# Allegro board TubiiPCB_V6.brd (continued)
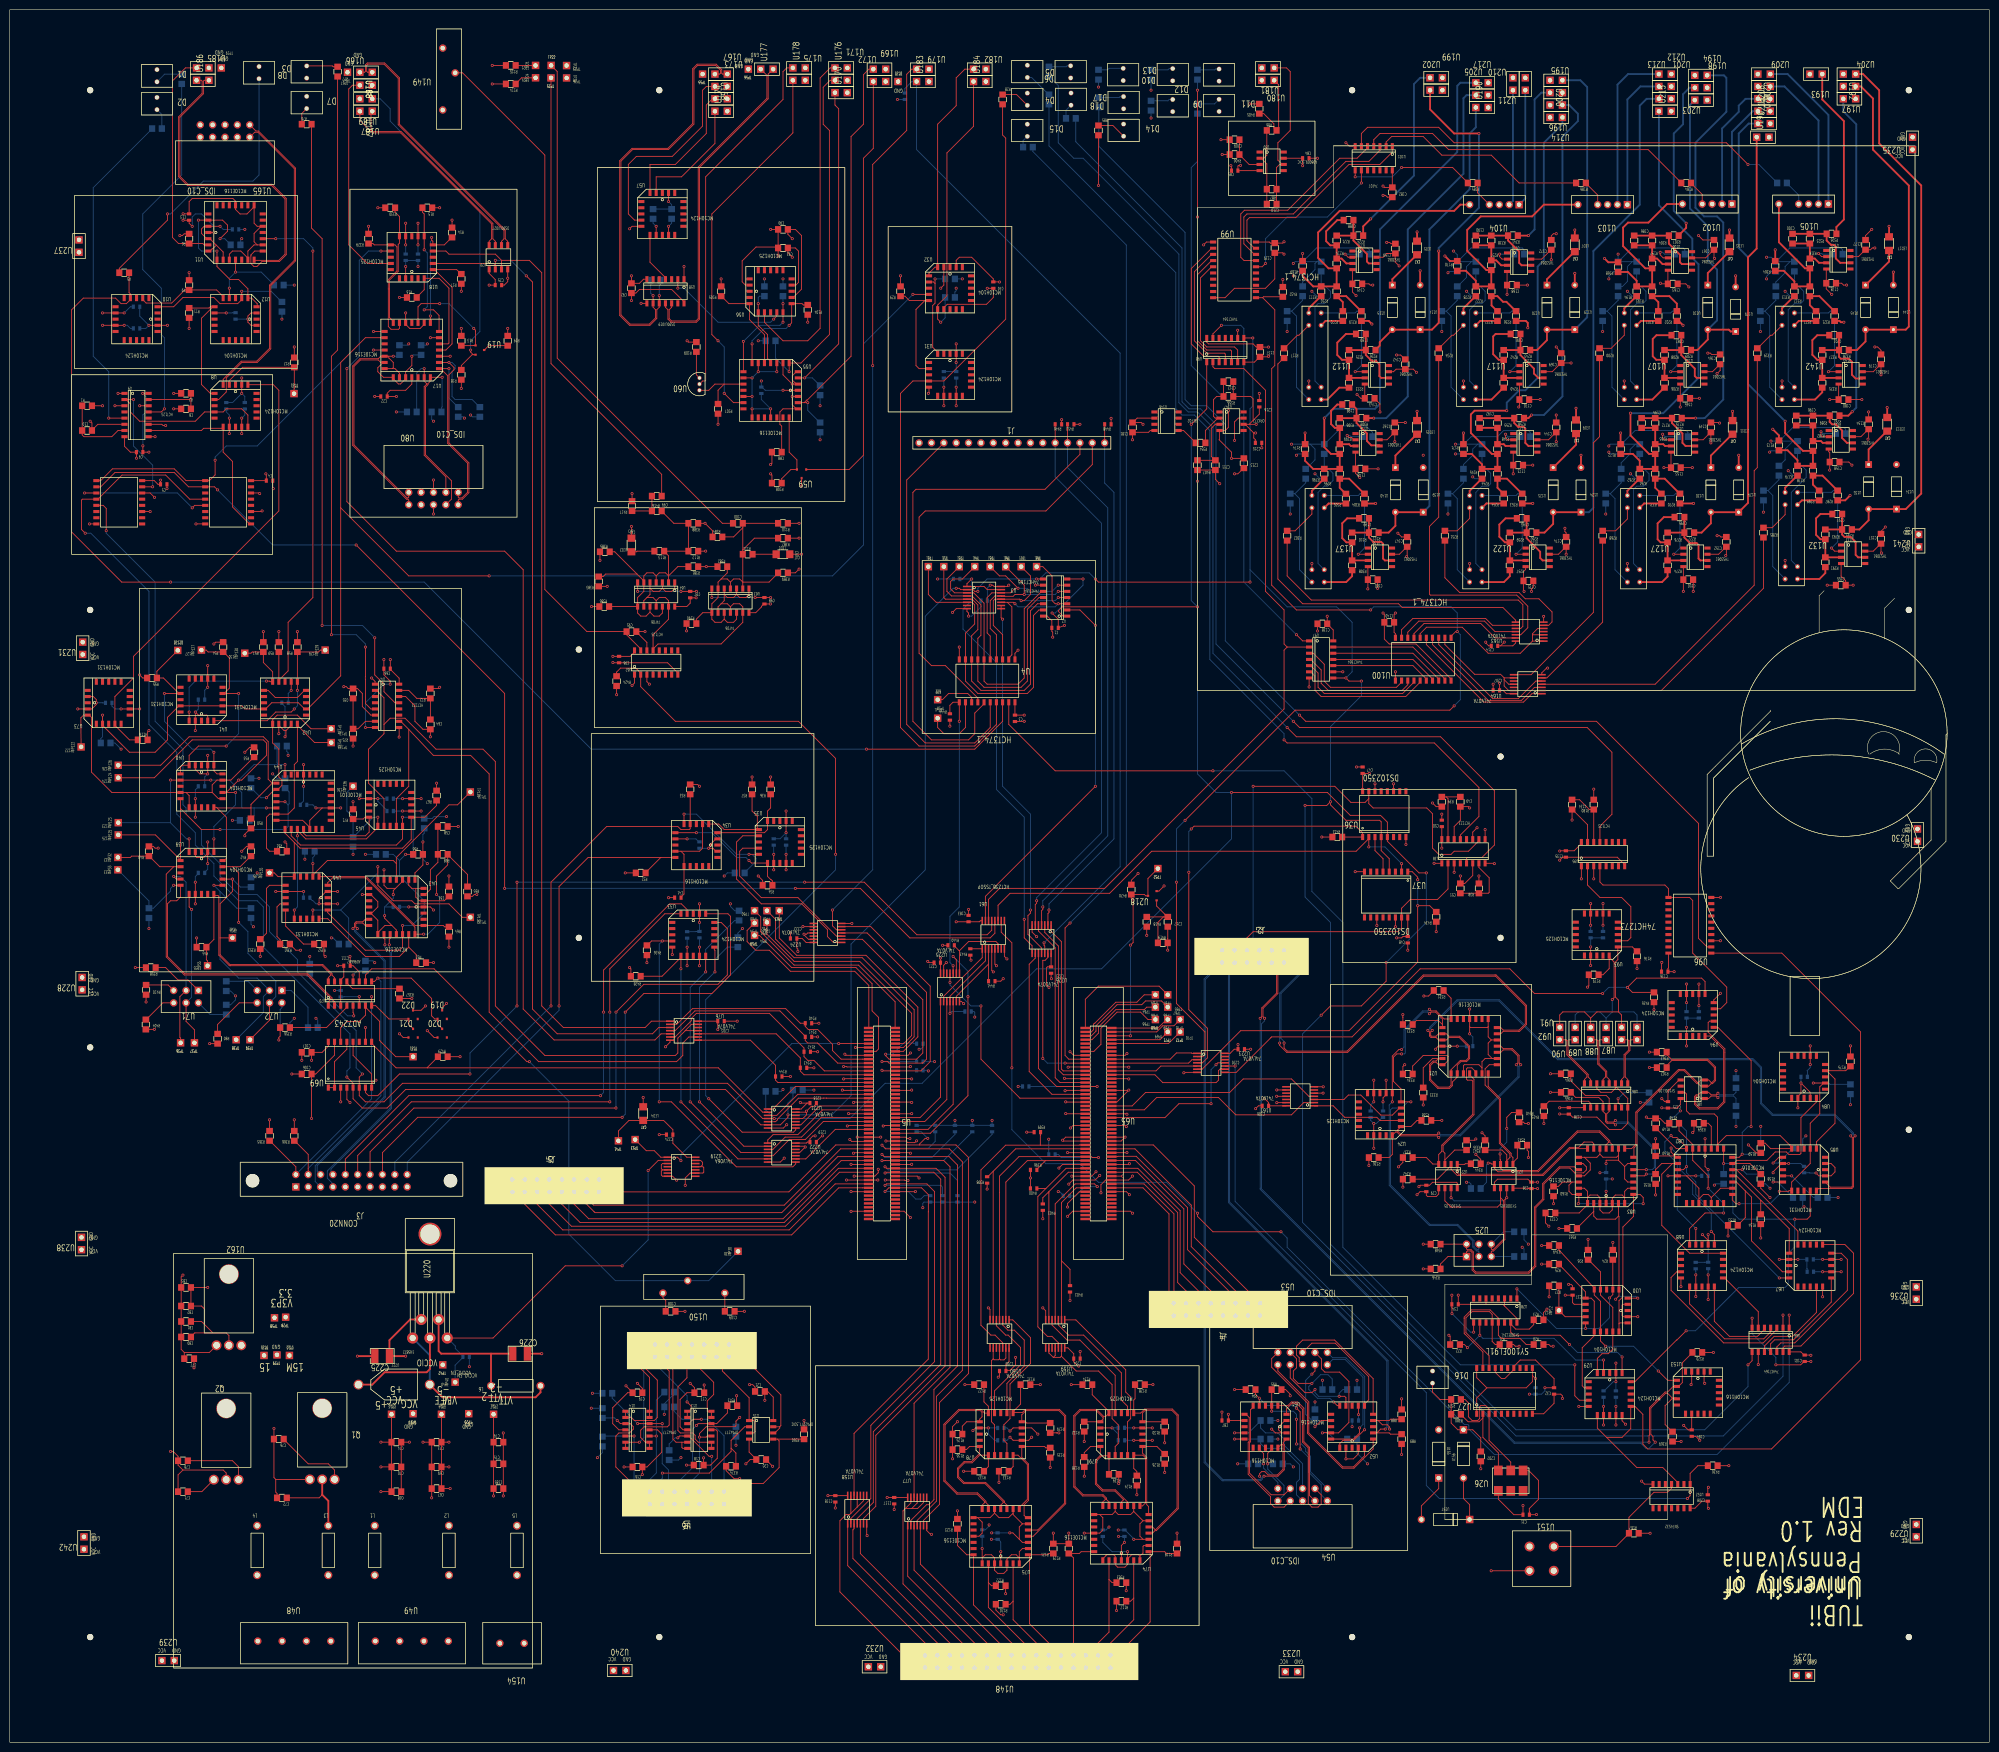
[diagram p0: board, top side]
## Routing (per net, layer and track width the routed paths; a pad name or vN(x,y) marks a point on that pad's centre or on a via; arc(x,y) is an arc through that point) (continued)
; 253.52,88.24 J4.4 ; J4.4 253.52,86.89 ; J4.4 254.86,86.89 ; J4.4 254.86,88.24 ; v1(26.01,263.55) 26.4,263.16 ; v1(26.01,263.55) 25.62,263.94 ; v1(26.01,263.55) 25.62,263.16 ; v1(26.01,263.55) 26.4,263.94 ; v1(138.68,114.3) 139.08,113.91 ; v1(138.68,114.3) 139.08,114.69 ; v1(138.68,114.3) 138.29,113.91 ; v1(138.68,114.3) 138.29,114.69 ; U165.6 44.87,328.76 ; U165.6 44.87,330.11 ; U165.6 43.52,330.11 ; U165.6 43.52,328.76 ; 263.77,264.55 v1(264.16,264.16) ; v1(264.16,264.16) 263.77,263.77 ; v1(264.16,264.16) 264.55,264.55 ; v1(264.16,264.16) 264.55,263.77 ; v1(255.78,130.05) 256.17,129.65 ; v1(255.78,130.05) 255.38,129.65 ; v1(255.78,130.05) 256.17,130.44 ; v1(255.78,130.05) 255.38,130.44 ; TP26.1 115,342.28 ; TP26.1 113.65,342.28 ; TP26.1 115,340.93 ; TP26.1 113.65,340.93 ; v1(286.64,184.28) 287.03,184.67 ; v1(286.64,184.28) 287.03,183.88 ; v1(286.64,184.28) 286.25,184.67 ; v1(286.64,184.28) 286.25,183.88 ; J4.14 242.16,86.89 ; J4.14 240.82,88.24 ; J4.14 240.82,86.89 ; J4.14 242.16,88.24 ; 171.28,337.91 U170.2 ; U170.2 172.63,337.91 ; U170.2 172.63,339.26 ; U170.2 171.28,339.26 ; 275.83,179.08 v1(276.22,178.69) ; v1(276.22,178.69) 276.62,179.08 ; v1(276.22,178.69) 275.83,178.3 ; v1(276.22,178.69) 276.62,178.3 ; v1(369.77,78.15) 370.17,77.76 ; v1(369.77,78.15) 369.38,77.76 ; v1(369.77,78.15) 370.17,78.55 ; v1(369.77,78.15) 369.38,78.55 ; 196.46,171.34 v1(196.85,170.94) ; v1(196.85,170.94) 197.24,170.55 ; v1(196.85,170.94) 197.24,171.34 ; v1(196.85,170.94) 196.46,170.55 ; 346.49,275.45 v1(346.89,275.84) ; v1(346.89,275.84) 347.28,276.24 ; v1(346.89,275.84) 347.28,275.45 ; v1(346.89,275.84) 346.49,276.24 ; v1(320.75,189.28) 321.14,189.67 ; v1(320.75,189.28) 320.36,189.67 ; v1(320.75,189.28) 320.36,188.88 ; v1(320.75,189.28) 321.14,188.88 ; 60.24,21.44 U48.3 ; U48.3 61.58,21.44 ; U48.3 60.24,20.09 ; U48.3 61.58,20.09 ; 345.27,341.46 U203.2 ; U203.2 346.62,341.46 ; U203.2 345.27,342.81 ; U203.2 346.62,342.81 ; 69.46,131.71 v1(69.85,131.32) ; v1(69.85,131.32) 70.24,130.92 ; v1(69.85,131.32) 70.24,131.71 ; v1(69.85,131.32) 69.46,130.92 ; 72.63,208.67 v1(73.03,208.28) ; v1(73.03,208.28) 73.42,207.89 ; v1(73.03,208.28) 73.42,208.67 ; v1(73.03,208.28) 72.63,207.89 ; U184.2 201.08,341.54 ; U184.2 199.73,341.54 ; U184.2 201.08,340.19 ; U184.2 199.73,340.19 ; v1(348.69,104.19) 349.08,103.79 ; v1(348.69,104.19) 348.3,103.79 ; v1(348.69,104.19) 348.3,104.58 ; 143.75,234.56 v1(144.15,234.95) ; v1(144.15,234.95) 144.54,234.56 ; v1(144.15,234.95) 144.54,235.34 ; v1(144.15,234.95) 143.75,235.34 ; v1(292.42,180.4) 292.81,180.01 ; v1(292.42,180.4) 292.02,180.01 ; v1(292.42,180.4) 292.81,180.8 ; v1(292.42,180.4) 292.02,180.8 ; 219.37,80.61 v1(219.76,80.21) ; v1(219.76,80.21) 219.37,79.82 ; v1(219.76,80.21) 220.15,79.82 ; v1(219.76,80.21) 220.15,80.61 ; 386.32,302.15 v1(386.71,301.75) ; v1(386.71,301.75) 387.11,301.36 ; v1(386.71,301.75) 386.32,301.36 ; v1(386.71,301.75) 387.11,302.15 ; 86.32,257.21 U80.6 ; U80.6 87.67,255.87 ; U80.6 87.67,257.21 ; U80.6 86.32,255.87 ; 279.26,291.48 v1(279.65,291.08) ; v1(279.65,291.08) 280.05,290.69 ; v1(279.65,291.08) 279.26,290.69 ; v1(279.65,291.08) 280.05,291.48 ; 208.42,331.61 D15.1 ; D15.1 209.41,332.6 ; D15.1 209.41,331.61 ; D15.1 208.42,332.6 ; v1(163.07,66.04) 163.46,65.65 ; v1(163.07,66.04) 163.46,66.43 ; v1(163.07,66.04) 162.67,66.43 ; v1(163.07,66.04) 162.67,65.65 ; v1(220.34,238.76) 220.74,238.37 ; v1(220.34,238.76) 219.95,238.37 ; v1(220.34,238.76) 219.95,239.15 ; v1(220.34,238.76) 220.74,239.15 ; U204.2 379.64,337.99 ; U204.2 378.29,336.64 ; U204.2 378.29,337.99 ; U204.2 379.64,336.64 ; v1(248.87,67.77) 249.26,67.37 ; v1(248.87,67.77) 248.48,68.16 ; v1(248.87,67.77) 248.48,67.37 ; v1(248.87,67.77) 249.26,68.16 ; 317.82,128.56 v1(318.21,128.95) ; v1(318.21,128.95) 318.6,129.35 ; v1(318.21,128.95) 318.6,128.56 ; v1(318.21,128.95) 317.82,129.35 ; v1(263.52,300.99) 263.92,300.6 ; v1(263.52,300.99) 263.13,301.38 ; v1(263.52,300.99) 263.92,301.38 ; v1(263.52,300.99) 263.13,300.6 ; 386.04,299.76 386.71,299.08 ; 386.71,299.08 387.39,298.41 ; 386.71,299.08 387.39,299.76 ; 386.71,299.08 386.04,298.41 ; 99.95,20.99 U154.2 ; U154.2 101.3,19.65 ; U154.2 101.3,20.99 ; U154.2 99.95,19.65 ; v1(281.3,273.05) 281.7,272.66 ; v1(281.3,273.05) 280.91,273.44 ; v1(281.3,273.05) 281.7,273.44 ; v1(281.3,273.05) 280.91,272.66 ; 80.89,303.29 v1(81.28,302.89) ; v1(81.28,302.89) 80.89,302.5 ; v1(81.28,302.89) 81.67,302.5 ; v1(81.28,302.89) 81.67,303.29 ; v1(360.68,300.36) 361.07,299.96 ; v1(360.68,300.36) 361.07,300.75 ; v1(360.68,300.36) 360.29,299.96 ; v1(360.68,300.36) 360.29,300.75 ; v1(153.03,234.95) 153.43,235.34 ; v1(153.03,234.95) 152.64,234.56 ; v1(153.03,234.95) 153.43,234.56 ; v1(153.03,234.95) 152.64,235.34 ; 247.79,341.43 D12.1 ; D12.1 248.78,341.43 ; D12.1 248.78,340.44 ; D12.1 247.79,340.44 ; 172.83,121.3 v1(173.23,120.9) ; v1(173.23,120.9) 173.62,120.51 ; v1(173.23,120.9) 173.62,121.3 ; v1(173.23,120.9) 172.83,120.51 ; 213.6,232.17 v1(214,231.77) ; v1(214,231.77) 214.39,232.17 ; v1(214,231.77) 214.39,231.38 ; v1(214,231.77) 213.6,231.38 ; 78.38,114.66 J3.17 ; J3.17 78.38,113.31 ; J3.17 79.73,114.66 ; J3.17 79.73,113.31 ; v1(324.56,163.24) 324.95,163.64 ; v1(324.56,163.24) 324.95,162.85 ; v1(324.56,163.24) 324.17,162.85 ; v1(324.56,163.24) 324.17,163.64 ; 279.64,122.31 v1(280.03,121.92) ; v1(280.03,121.92) 280.43,122.31 ; v1(280.03,121.92) 279.64,121.53 ; v1(280.03,121.92) 280.43,121.53 ; 229.48,112.79 v1(229.87,112.4) ; v1(229.87,112.4) 229.48,112 ; v1(229.87,112.4) 230.26,112 ; v1(229.87,112.4) 230.26,112.79 ; v1(373.13,237.49) 373.52,237.1 ; v1(373.13,237.49) 372.73,237.88 ; v1(373.13,237.49) 372.73,237.1 ; v1(373.13,237.49) 373.52,237.88 ; v1(40.64,202.56) 41.03,202.17 ; v1(40.64,202.56) 41.03,202.96 ; v1(40.64,202.56) 40.25,202.96 ; v1(40.64,202.56) 40.25,202.17 ; v1(149.1,60.96) 149.49,60.57 ; v1(149.1,60.96) 148.7,60.57 ; v1(149.1,60.96) 149.49,61.35 ; v1(149.1,60.96) 148.7,61.35 ; v1(327.74,118.79) 328.13,119.19 ; v1(327.74,118.79) 328.13,118.4 ; v1(327.74,118.79) 327.34,118.4 ; v1(327.74,118.79) 327.34,119.19 ; 251.07,260.74 v1(251.46,260.35) ; v1(251.46,260.35) 251.85,260.74 ; v1(251.46,260.35) 251.85,259.96 ; v1(251.46,260.35) 251.07,259.96 ; v1(16.51,271.14) 16.9,271.54 ; v1(16.51,271.14) 16.9,270.75 ; v1(16.51,271.14) 16.12,271.54 ; v1(16.51,271.14) 16.12,270.75 ; 212.62,14.63 U148.12 ; U148.12 212.62,15.98 ; U148.12 213.97,15.98 ; U148.12 213.97,14.63 ; U80.5 87.67,253.33 ; U80.5 86.32,254.67 ; U80.5 86.32,253.33 ; U80.5 87.67,254.67 ; v1(172.72,118.62) 173.11,119.01 ; v1(172.72,118.62) 172.33,118.22 ; v1(172.72,118.62) 172.33,119.01 ; v1(172.72,118.62) 173.11,118.22 ; 238.26,341.52 D10.1 ; D10.1 238.26,340.53 ; D10.1 239.26,340.53 ; D10.1 239.26,341.52 ; 390.74,94.15 U236.2 ; U236.2 392.09,92.8 ; U236.2 392.09,94.15 ; U236.2 390.74,92.8 ; 130.04,227.57 v1(130.43,227.97) ; v1(130.43,227.97) 130.82,228.36 ; v1(130.43,227.97) 130.82,227.57 ; v1(130.43,227.97) 130.04,228.36 ; 216.78,107.56 v1(217.17,107.95) ; v1(217.17,107.95) 217.56,108.34 ; v1(217.17,107.95) 216.78,108.34 ; v1(217.17,107.95) 217.56,107.56 ; 66.92,158.99 v1(67.31,159.38) ; v1(67.31,159.38) 66.92,159.78 ; v1(67.31,159.38) 67.7,158.99 ; v1(67.31,159.38) 67.7,159.78 ; 375.75,343.07 U192.2 ; U192.2 377.1,343.07 ; U192.2 375.75,341.72 ; U192.2 377.1,341.72 ; 55.97,87.92 TP28.1 ; TP28.1 55.97,86.58 ; TP28.1 57.32,87.92 ; TP28.1 57.32,86.58 ; v1(248.92,325.88) 249.31,325.49 ; v1(248.92,325.88) 248.53,326.28 ; v1(248.92,325.88) 248.53,325.49 ; v1(248.92,325.88) 249.31,326.28 ; 228.1,340.57 D13.2 ; D13.2 229.1,341.56 ; D13.2 229.1,340.57 ; D13.2 228.1,341.56 ; 37.71,211.85 v1(38.1,211.45) ; v1(38.1,211.45) 37.71,211.06 ; v1(38.1,211.45) 38.49,211.85 ; v1(38.1,211.45) 38.49,211.06 ; 186.02,266.03 J1.1 ; J1.1 187.36,266.03 ; J1.1 187.36,267.37 ; J1.1 186.02,267.37 ; 200.68,44.22 v1(201.07,44.61) ; v1(201.07,44.61) 201.46,44.22 ; v1(201.07,44.61) 201.46,45 ; v1(201.07,44.61) 200.68,45 ; v1(376.55,291.47) 376.95,291.07 ; v1(376.55,291.47) 376.95,291.86 ; v1(376.55,291.47) 376.16,291.86 ; v1(376.55,291.47) 376.16,291.07 ; U124.2 323.25,260.95 ; U124.2 321.91,262.29 ; U124.2 323.25,262.29 ; U124.2 321.91,260.95 ; 359.02,289.17 v1(359.41,289.56) ; v1(359.41,289.56) 359.8,289.17 ; v1(359.41,289.56) 359.8,289.95 ; v1(359.41,289.56) 359.02,289.95 ; v1(32.28,257.33) 32.68,257.72 ; v1(32.28,257.33) 32.68,256.93 ; v1(32.28,257.33) 31.89,257.72 ; v1(32.28,257.33) 31.89,256.93 ; D16.1 292.6,75.7 ; D16.1 291.6,75.7 ; D16.1 292.6,76.7 ; D16.1 291.6,76.7 ; 181.19,47.38 v1(181.58,47.78) ; v1(181.58,47.78) 181.98,47.38 ; v1(181.58,47.78) 181.19,48.17 ; v1(181.58,47.78) 181.98,48.17 ; v1(258.44,284.48) 258.84,284.09 ; v1(258.44,284.48) 258.84,284.87 ; v1(258.44,284.48) 258.05,284.87 ; v1(258.44,284.48) 258.05,284.09 ; 207.89,209.16 v1(208.28,209.55) ; v1(208.28,209.55) 208.67,209.16 ; v1(208.28,209.55) 207.89,209.94 ; v1(208.28,209.55) 208.67,209.94 ; TP19.1 44.11,344.34 ; TP19.1 42.76,342.99 ; TP19.1 44.11,342.99 ; TP19.1 42.76,344.34 ; v1(38.1,207.64) 38.49,207.25 ; v1(38.1,207.64) 38.49,208.04 ; v1(38.1,207.64) 37.71,208.04 ; v1(38.1,207.64) 37.71,207.25 ; 157.09,280.91 v1(157.48,281.31) ; v1(157.48,281.31) 157.09,281.7 ; v1(157.48,281.31) 157.87,281.7 ; v1(157.48,281.31) 157.87,280.91 ; 333.84,86.95 v1(334.23,87.35) ; v1(334.23,87.35) 334.63,86.95 ; v1(334.23,87.35) 334.63,87.74 ; v1(334.23,87.35) 333.84,87.74 ; v1(280.67,167.64) 281.06,168.03 ; v1(280.67,167.64) 280.28,167.25 ; v1(280.67,167.64) 280.28,168.03 ; v1(280.67,167.64) 281.06,167.25 ; v1(172.72,113.03) 173.11,113.42 ; v1(172.72,113.03) 172.33,113.42 ; v1(172.72,113.03) 173.11,112.64 ; v1(172.72,113.03) 172.33,112.64 ; 152.01,276.62 v1(152.4,276.23) ; v1(152.4,276.23) 152.01,275.83 ; v1(152.4,276.23) 152.79,275.83 ; v1(152.4,276.23) 152.79,276.62 ; U48.2 56.6,21.44 ; U48.2 56.6,20.09 ; U48.2 55.26,21.44 ; U48.2 55.26,20.09 ; v1(160.27,166.12) 160.67,166.51 ; v1(160.27,166.12) 160.67,165.72 ; v1(160.27,166.12) 159.88,165.72 ; v1(160.27,166.12) 159.88,166.51 ; U148.2 226.67,15.98 ; U148.2 225.32,15.98 ; U148.2 226.67,14.63 ; U148.2 225.32,14.63 ; 390.99,186.78 U230.2 ; U230.2 392.34,188.13 ; U230.2 390.99,188.13 ; U230.2 392.34,186.78 ; v1(329.75,74.01) 330.14,74.4 ; v1(329.75,74.01) 329.35,74.4 ; v1(329.75,74.01) 330.14,73.62 ; v1(329.75,74.01) 329.35,73.62 ; 140.58,235.83 v1(140.97,236.22) ; v1(140.97,236.22) 140.58,236.61 ; v1(140.97,236.22) 141.36,235.83 ; v1(140.97,236.22) 141.36,236.61 ; U148.6 221.59,14.63 ; U148.6 220.24,14.63 ; U148.6 220.24,15.98 ; U148.6 221.59,15.98 ; v1(311.58,299.08) 311.97,298.69 ; v1(311.58,299.08) 311.19,298.69 ; v1(311.58,299.08) 311.97,299.48 ; v1(311.58,299.08) 311.19,299.48 ; 360.77,331.56 U216.2 ; U216.2 362.12,332.91 ; U216.2 362.12,331.56 ; U216.2 360.77,332.91 ; TP56.1 152.31,342.73 ; TP56.1 152.31,344.08 ; TP56.1 150.96,342.73 ; TP56.1 150.96,344.08 ; v1(319.28,249.17) 319.67,248.78 ; v1(319.28,249.17) 318.88,249.57 ; v1(319.28,249.17) 318.88,248.78 ; v1(319.28,249.17) 319.67,249.57 ; 376.72,298.69 v1(377.11,299.08) ; v1(377.11,299.08) 376.72,299.48 ; v1(377.11,299.08) 377.5,299.48 ; v1(377.11,299.08) 377.5,298.69 ; 171.56,126.89 v1(171.96,126.49) ; v1(171.96,126.49) 172.35,126.1 ; v1(171.96,126.49) 171.56,126.1 ; v1(171.96,126.49) 172.35,126.89 ; U205.2 304.2,337.4 ; U205.2 302.86,337.4 ; U205.2 304.2,338.75 ; U205.2 302.86,338.75 ; 141.21,167.88 v1(141.6,168.28) ; v1(141.6,168.28) 142,167.88 ; v1(141.6,168.28) 141.21,168.67 ; v1(141.6,168.28) 142,168.67 ; v1(236.98,175.75) 237.38,176.15 ; v1(236.98,175.75) 236.59,175.36 ; v1(236.98,175.75) 236.59,176.15 ; v1(236.98,175.75) 237.38,175.36 ; 215,117.46 v1(215.39,117.86) ; v1(215.39,117.86) 215.79,117.46 ; v1(215.39,117.86) 215,118.25 ; v1(215.39,117.86) 215.79,118.25 ; 362.06,306.72 v1(362.46,306.32) ; v1(362.46,306.32) 362.85,305.93 ; v1(362.46,306.32) 362.85,306.72 ; v1(362.46,306.32) 362.06,305.93 ; 58.03,128.16 v1(58.42,127.76) ; v1(58.42,127.76) 58.81,128.16 ; v1(58.42,127.76) 58.03,127.37 ; v1(58.42,127.76) 58.81,127.37 ; v1(269.66,134.53) 270.06,134.14 ; v1(269.66,134.53) 269.27,134.14 ; v1(269.66,134.53) 270.06,134.93 ; v1(269.66,134.53) 269.27,134.93 ; v1(354.33,300.99) 354.72,300.6 ; v1(354.33,300.99) 353.94,301.38 ; v1(354.33,300.99) 354.72,301.38 ; v1(354.33,300.99) 353.94,300.6 ; v1(35.59,313.72) 35.98,314.11 ; v1(35.59,313.72) 35.98,313.32 ; v1(35.59,313.72) 35.19,314.11 ; v1(35.59,313.72) 35.19,313.32 ; v1(367.74,135.3) 368.13,135.7 ; v1(367.74,135.3) 368.13,134.91 ; v1(367.74,135.3) 367.35,134.91 ; v1(367.74,135.3) 367.35,135.7 ; J5.14 119.1,114.83 ; J5.14 117.75,114.83 ; J5.14 117.75,116.18 ; J5.14 119.1,116.18 ; 60.85,54.71 Q1.1 ; Q1.1 62.37,54.71 ; Q1.1 62.37,53.19 ; Q1.1 60.85,53.19 ; 82.13,68.11 TP27.1 ; TP27.1 83.48,66.76 ; TP27.1 82.13,66.76 ; TP27.1 83.48,68.11 ; v1(328.29,300.36) 328.69,299.96 ; v1(328.29,300.36) 327.9,299.96 ; v1(328.29,300.36) 328.69,300.75 ; v1(328.29,300.36) 327.9,300.75 ; v1(256.54,276.86) 256.93,276.47 ; v1(256.54,276.86) 256.15,277.25 ; v1(256.54,276.86) 256.93,277.25 ; v1(256.54,276.86) 256.15,276.47 ; v1(138.63,88.45) 139.02,88.05 ; v1(138.63,88.45) 138.24,88.05 ; v1(138.63,88.45) 138.24,88.84 ; v1(138.63,88.45) 139.02,88.84 ; v1(311.66,290.32) 312.05,290.72 ; v1(311.66,290.32) 311.26,289.93 ; v1(311.66,290.32) 311.26,290.72 ; v1(311.66,290.32) 312.05,289.93 ; v1(149.86,54.1) 150.25,54.5 ; v1(149.86,54.1) 149.47,54.5 ; v1(149.86,54.1) 149.47,53.71 ; v1(149.86,54.1) 150.25,53.71 ; v1(28.57,290.83) 28.97,290.44 ; v1(28.57,290.83) 28.18,290.44 ; v1(28.57,290.83) 28.97,291.22 ; v1(28.57,290.83) 28.18,291.22 ; 326.63,289.17 v1(327.02,289.56) ; v1(327.02,289.56) 327.42,289.95 ; v1(327.02,289.56) 326.63,289.95 ; v1(327.02,289.56) 327.42,289.17 ; 188.84,43.07 v1(189.23,42.67) ; v1(189.23,42.67) 189.62,43.07 ; v1(189.23,42.67) 189.62,42.28 ; v1(189.23,42.67) 188.84,42.28 ; v1(47.62,276.86) 48.02,276.47 ; v1(47.62,276.86) 47.23,277.25 ; v1(47.62,276.86) 48.02,277.25 ; v1(47.62,276.86) 47.23,276.47 ; 307.94,342.3 U211.2 ; U211.2 309.28,340.96 ; U211.2 307.94,340.96 ; U211.2 309.28,342.3 ; 237.34,162.18 v1(237.73,162.58) ; v1(237.73,162.58) 238.12,162.18 ; v1(237.73,162.58) 237.34,162.97 ; v1(237.73,162.58) 238.12,162.97 ; 134.86,173.75 v1(135.25,173.36) ; v1(135.25,173.36) 134.86,172.96 ; v1(135.25,173.36) 135.65,172.96 ; v1(135.25,173.36) 135.65,173.75 ; 293.61,190.11 v1(294,190.5) ; v1(294,190.5) 294.4,190.89 ; v1(294,190.5) 294.4,190.11 ; v1(294,190.5) 293.61,190.89 ; v1(86.36,288.29) 86.75,288.68 ; v1(86.36,288.29) 86.75,287.9 ; v1(86.36,288.29) 85.97,288.68 ; v1(86.36,288.29) 85.97,287.9 ; U181.2 257.72,342.99 ; U181.2 256.37,344.34 ; U181.2 256.37,342.99 ; U181.2 257.72,344.34 ; 279.44,299.48 v1(279.83,299.08) ; v1(279.83,299.08) 280.22,299.48 ; v1(279.83,299.08) 280.22,298.69 ; v1(279.83,299.08) 279.44,298.69 ; U214.2 316.9,334.18 ; U214.2 316.9,332.83 ; U214.2 315.56,332.83 ; U214.2 315.56,334.18 ; 329.35,77.43 v1(329.75,77.82) ; v1(329.75,77.82) 329.35,78.21 ; v1(329.75,77.82) 330.14,78.21 ; v1(329.75,77.82) 330.14,77.43 ; v1(241.05,137.41) 241.44,137.02 ; v1(241.05,137.41) 241.44,137.81 ; v1(241.05,137.41) 240.65,137.02 ; v1(241.05,137.41) 240.65,137.81 ; v1(156.21,310.51) 156.6,310.91 ; v1(156.21,310.51) 156.6,310.12 ; v1(156.21,310.51) 155.82,310.12 ; v1(156.21,310.51) 155.82,310.91 ; v1(327.41,304.55) 327.8,304.94 ; v1(327.41,304.55) 327.01,304.15 ; v1(327.41,304.55) 327.01,304.94 ; v1(327.41,304.55) 327.8,304.15 ; v1(217.78,126.08) 218.18,125.69 ; v1(217.78,126.08) 217.39,125.69 ; v1(217.78,126.08) 217.39,126.47 ; v1(217.78,126.08) 218.18,126.47 ; v1(216.53,136.27) 216.93,136.66 ; v1(216.53,136.27) 216.93,135.88 ; v1(216.53,136.27) 216.14,136.66 ; v1(216.53,136.27) 216.14,135.88 ; 156.22,56.25 v1(156.61,56.64) ; v1(156.61,56.64) 156.22,57.04 ; v1(156.61,56.64) 157,56.25 ; v1(156.61,56.64) 157,57.04 ; v1(51.44,161.29) 51.83,161.68 ; v1(51.44,161.29) 51.83,160.9 ; v1(51.44,161.29) 51.04,160.9 ; v1(51.44,161.29) 51.04,161.68 ; 284.34,284.34 v1(284.73,284.73) ; v1(284.73,284.73) 285.13,284.34 ; v1(284.73,284.73) 284.34,285.13 ; v1(284.73,284.73) 285.13,285.13 ; U165.5 44.87,332.65 ; U165.5 44.87,331.3 ; U165.5 43.52,332.65 ; U165.5 43.52,331.3 ; 321.31,299.08 321.98,298.41 ; 321.31,299.08 321.98,299.76 ; 321.31,299.08 320.64,298.41 ; 321.31,299.08 320.64,299.76 ; 197.38,14.63 U148.24 ; U148.24 197.38,15.98 ; U148.24 198.73,15.98 ; U148.24 198.73,14.63 ; U148.16 208.89,15.98 ; U148.16 207.54,15.98 ; U148.16 207.54,14.63 ; U148.16 208.89,14.63 ; 346.32,309.64 v1(346.71,309.25) ; v1(346.71,309.25) 347.1,308.85 ; v1(346.71,309.25) 346.32,308.85 ; v1(346.71,309.25) 347.1,309.64 ; 158.61,120.28 v1(159,119.89) ; v1(159,119.89) 159.4,120.28 ; v1(159,119.89) 159.4,119.49 ; v1(159,119.89) 158.61,119.49 ; 243.36,88.24 J4.12 ; J4.12 244.7,88.24 ; J4.12 244.7,86.89 ; J4.12 243.36,86.89 ; v1(73.03,146.69) 73.42,146.29 ; v1(73.03,146.69) 72.63,146.29 ; v1(73.03,146.69) 72.63,147.08 ; v1(73.03,146.69) 73.42,147.08 ; J4.10 247.24,86.89 ; J4.10 247.24,88.24 ; J4.10 245.9,86.89 ; J4.10 245.9,88.24 ; 66.28,154.7 v1(66.67,154.31) ; v1(66.67,154.31) 66.28,153.91 ; v1(66.67,154.31) 67.07,154.7 ; v1(66.67,154.31) 67.07,153.91 ; 48.5,292.49 v1(48.89,292.1) ; v1(48.89,292.1) 49.29,292.49 ; v1(48.89,292.1) 49.29,291.71 ; v1(48.89,292.1) 48.5,291.71 ; 344.33,298.31 v1(344.73,298.7) ; v1(344.73,298.7) 345.12,298.31 ; v1(344.73,298.7) 344.33,299.1 ; v1(344.73,298.7) 345.12,299.1 ; 317.11,286.78 v1(317.5,286.38) ; v1(317.5,286.38) 317.89,285.99 ; v1(317.5,286.38) 317.11,285.99 ; v1(317.5,286.38) 317.89,286.78 ; v1(67.95,191.77) 68.34,192.16 ; v1(67.95,191.77) 67.55,192.16 ; v1(67.95,191.77) 68.34,191.38 ; v1(67.95,191.77) 67.55,191.38 ; 311.6,71.84 v1(311.99,71.45) ; v1(311.99,71.45) 311.6,71.05 ; v1(311.99,71.45) 312.39,71.84 ; v1(311.99,71.45) 312.39,71.05 ; 73.75,340.78 U166.2 ; U166.2 73.75,339.43 ; U166.2 75.1,339.43 ; U166.2 75.1,340.78 ; v1(229.74,138.56) 230.14,138.95 ; v1(229.74,138.56) 230.14,138.16 ; v1(229.74,138.56) 229.35,138.95 ; v1(229.74,138.56) 229.35,138.16 ; v1(184.91,141.48) 185.31,141.87 ; v1(184.91,141.48) 184.52,141.08 ; v1(184.91,141.48) 184.52,141.87 ; v1(184.91,141.48) 185.31,141.08 ; 348.22,285.51 v1(348.61,285.12) ; v1(348.61,285.12) 348.22,284.72 ; v1(348.61,285.12) 349.01,284.72 ; v1(348.61,285.12) 349.01,285.51 ; v1(267.33,297.81) 267.73,297.42 ; v1(267.33,297.81) 266.94,297.42 ; v1(267.33,297.81) 266.94,298.21 ; v1(267.33,297.81) 267.73,298.21 ; v1(343.53,290.83) 343.93,291.22 ; v1(343.53,290.83) 343.14,291.22 ; v1(343.53,290.83) 343.93,290.44 ; v1(343.53,290.83) 343.14,290.44 ; v1(62.87,148.59) 63.26,148.2 ; v1(62.87,148.59) 62.47,148.2 ; v1(62.87,148.59) 63.26,148.98 ; v1(62.87,148.59) 62.47,148.98 ; v1(13.97,212.09) 14.36,212.48 ; v1(13.97,212.09) 14.36,211.7 ; v1(13.97,212.09) 13.58,211.7 ; v1(13.97,212.09) 13.58,212.48 ; v1(216.79,129.03) 217.18,129.43 ; v1(216.79,129.03) 217.18,128.64 ; v1(216.79,129.03) 216.4,128.64 ; v1(216.79,129.03) 216.4,129.43 ; v1(135.25,316.23) 135.65,315.84 ; v1(135.25,316.23) 134.86,316.62 ; v1(135.25,316.23) 135.65,316.62 ; v1(135.25,316.23) 134.86,315.84 ; 144.45,80.98 U16.12 ; U16.12 145.8,82.32 ; U16.12 145.8,80.98 ; U16.12 144.45,82.32 ; 73.3,113.31 J3.13 ; J3.13 73.3,114.66 ; J3.13 74.65,114.66 ; J3.13 74.65,113.31 ; v1(57.91,137.16) 58.31,137.55 ; v1(57.91,137.16) 58.31,136.77 ; v1(57.91,137.16) 57.52,136.77 ; v1(57.91,137.16) 57.52,137.55 ; 128.47,74.05 v1(128.86,73.66) ; v1(128.86,73.66) 129.26,74.05 ; v1(128.86,73.66) 129.26,73.27 ; v1(128.86,73.66) 128.47,73.27 ; 162.18,257.43 v1(162.57,257.82) ; v1(162.57,257.82) 162.18,258.22 ; v1(162.57,257.82) 162.97,257.43 ; v1(162.57,257.82) 162.97,258.22 ; v1(267.97,260.35) 268.36,260.74 ; v1(267.97,260.35) 268.36,259.96 ; v1(267.97,260.35) 267.58,260.74 ; v1(267.97,260.35) 267.58,259.96 ; J5.16 121.64,114.83 ; J5.16 121.64,116.18 ; J5.16 120.29,114.83 ; J5.16 120.29,116.18 ; 343.85,143.32 v1(344.25,142.92) ; v1(344.25,142.92) 344.64,142.53 ; v1(344.25,142.92) 344.64,143.32 ; v1(344.25,142.92) 343.85,142.53 ; 184.52,139.08 v1(184.91,138.68) ; v1(184.91,138.68) 